# KiCad board Interrupter v1.2.kicad_pcb (continued)
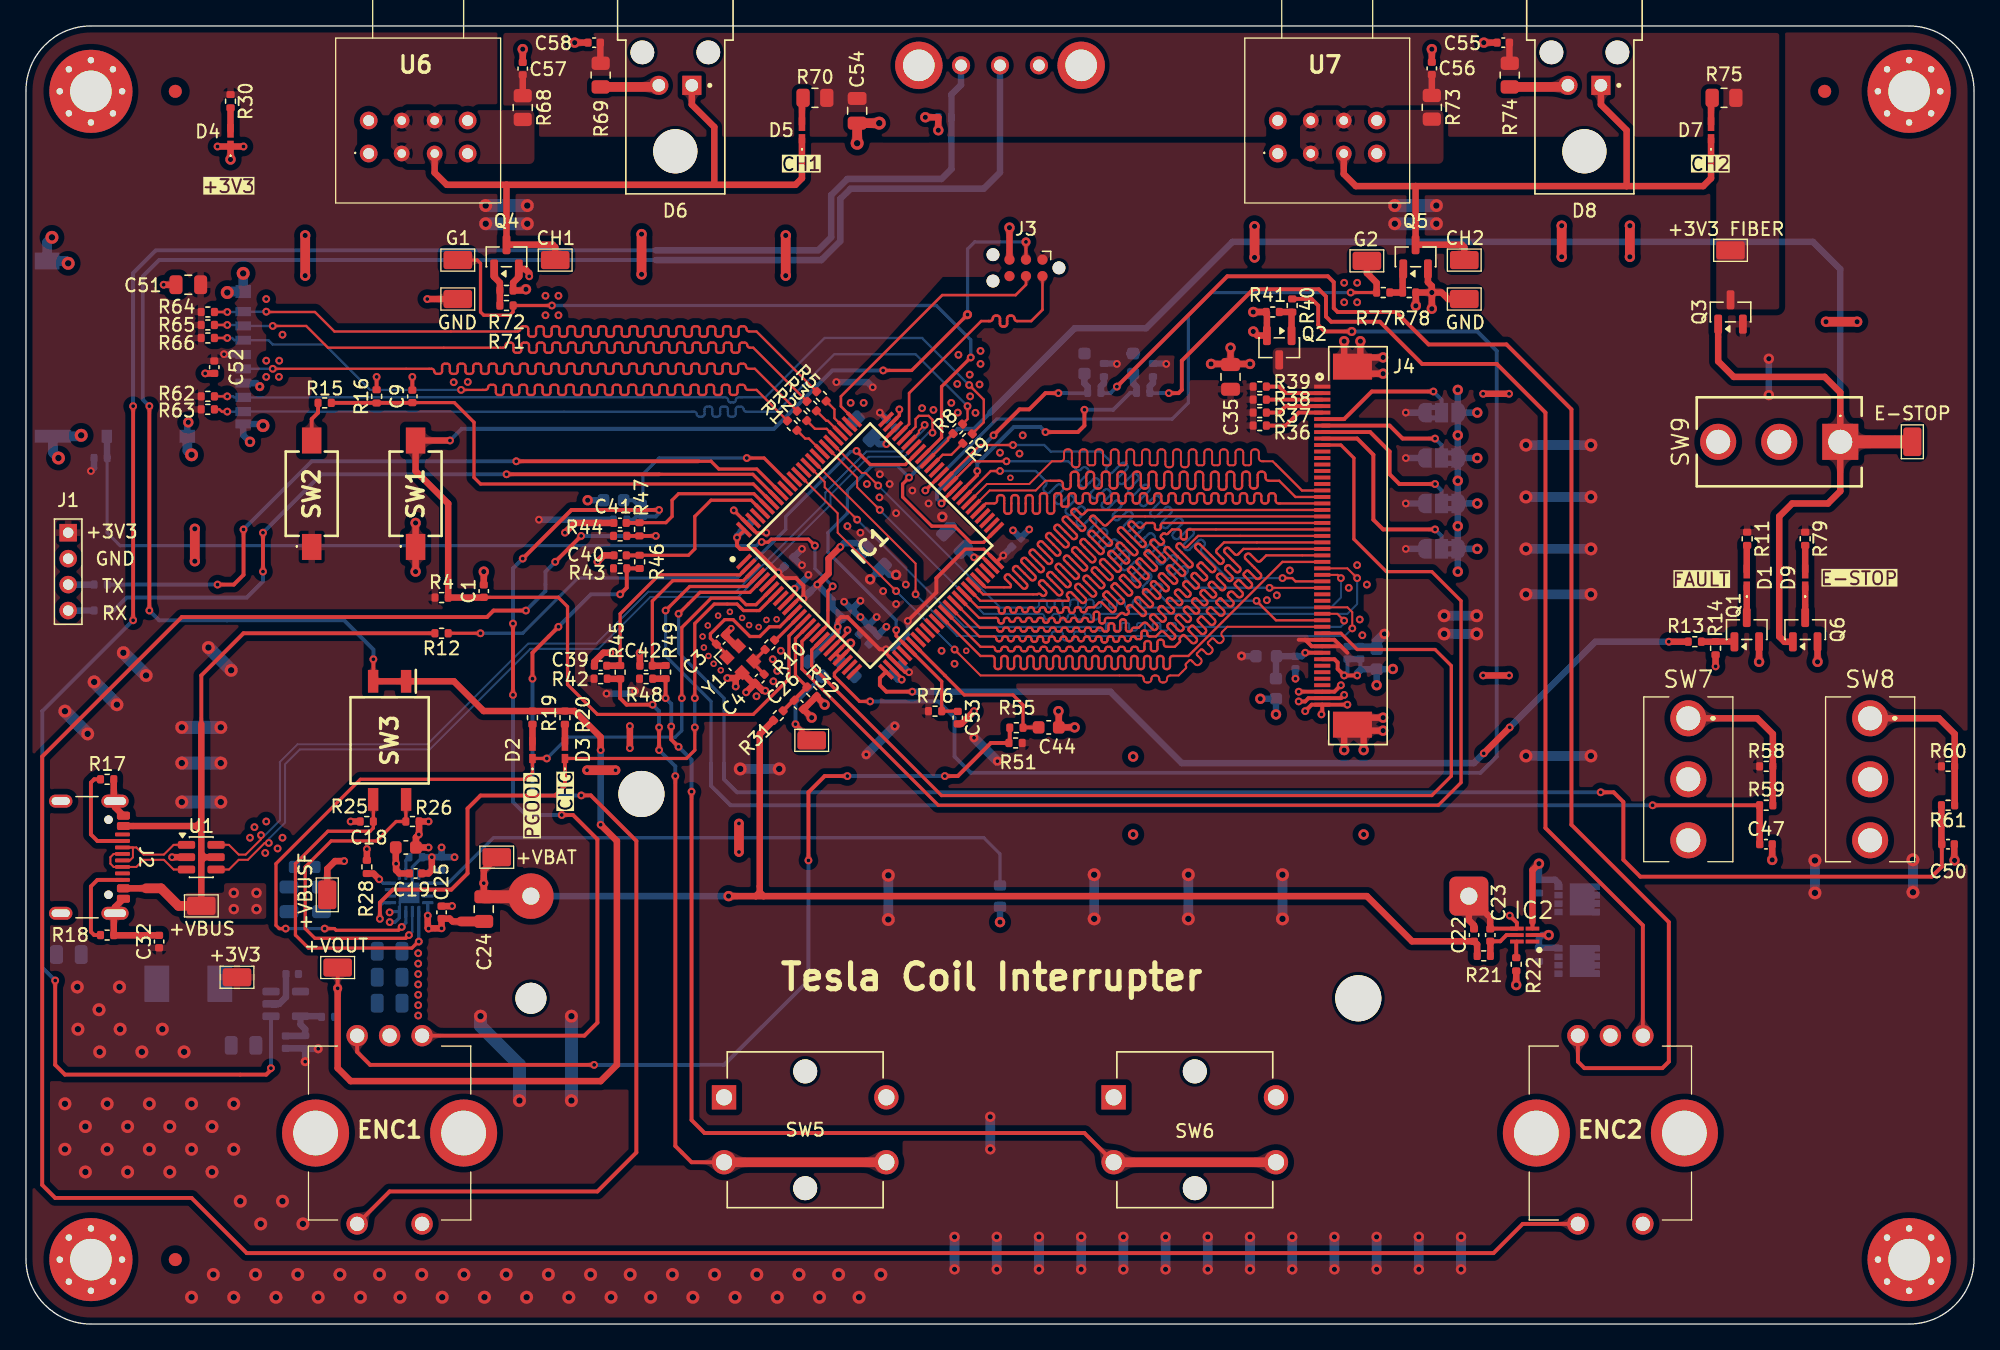
[diagram p0: board, top side]
## Routing (per net, layer and track width the routed paths; a pad name or vN(x,y) marks a point on that pad's centre or on a via; arc(x,y) is an arc through that point) (continued)
/MCU & Logic/FSMC_NE1: length 53.9
  Top w0.152: v1(67,56.46) 62.5,60.96 62.5,62.46 IC1.88 ; J4.38 92.5,53.71 92.11,53.33 arc(92.04,53.16) 92.11,52.99 92.16,52.94 arc(92.23,52.77) 92.16,52.6 92.07,52.52 arc(91.9,52.45) 91.73,52.52 91.45,52.8 arc(91.38,52.83) 91.31,52.8 91.02,52.52 arc(90.99,52.45) 91.02,52.38 91.31,52.09 arc(91.38,51.92) 91.31,51.76 91.22,51.67 arc(91.05,51.6) 90.88,51.67 90.6,51.95 arc(90.53,51.98) 90.46,51.95 90.17,51.67 arc(90.15,51.6) 90.17,51.53 90.46,51.25 arc(90.53,51.08) 90.46,50.91 90.37,50.82 arc(90.2,50.75) 90.03,50.82 89.74,51.12 arc(89.65,51.15) 89.57,51.12 89.31,50.86 arc(89.28,50.78) 89.31,50.69 arc(89.35,50.61) 89.31,50.53 88.75,49.96 88.1,49.96 arc(87.93,49.89) 87.86,49.72 87.86,49.66 arc(87.79,49.49) 87.62,49.42 87.5,49.42 arc(87.33,49.49) 87.26,49.66 87.26,49.72 arc(87.19,49.89) 87.02,49.96 86.9,49.96 arc(86.73,49.89) 86.66,49.72 86.66,49.66 arc(86.59,49.49) 86.42,49.42 86.3,49.42 arc(86.13,49.49) 86.06,49.66 86.06,49.72 arc(85.99,49.89) 85.82,49.96 73.5,49.96 v1(71.5,51.96)
  Bottom w0.152: v1(71.5,51.96) v1(67,56.46)
/MCU & Logic/FSMC_NOE: length 53.9
  Top w0.152: IC1.85 68.5,58.59 v1(68.5,56.21) ; v1(102.12,53.59) 102.12,54.84 101.75,55.21 J4.35
  Bottom w0.152: v1(68.5,56.21) 71.71,53 78.82,53 arc(78.94,53.05) 78.99,53.17 arc(79.04,53.29) 79.16,53.34 79.67,53.34 arc(79.79,53.29) 79.84,53.17 79.84,52.83 arc(79.89,52.71) 80.01,52.66 80.52,52.66 arc(80.64,52.71) 80.69,52.83 80.69,53.17 arc(80.74,53.29) 80.86,53.34 81.37,53.34 arc(81.5,53.29) 81.55,53.17 arc(81.6,53.05) 81.72,53 101.54,53 v1(102.12,53.59)
/MCU & Logic/FSMC_NWE: length 53.9
  Top w0.152: 99.78,54.74 J4.36 100.97,54.71 v1(101.5,54.19) ; IC1.86 61.5,64.88 61.5,64.46 v1(64,61.96)
  Bottom w0.152: v1(64,61.96) 72.25,53.71 82.4,53.71 arc(82.5,53.67) 82.55,53.57 arc(82.59,53.46) 82.7,53.42 83,53.42 arc(83.11,53.46) 83.15,53.57 83.15,53.86 arc(83.19,53.97) 83.3,54.01 83.6,54.01 arc(83.71,53.97) 83.75,53.86 83.75,53.57 arc(83.79,53.46) 83.9,53.42 84.2,53.42 arc(84.31,53.46) 84.35,53.57 84.35,53.86 arc(84.39,53.97) 84.5,54.01 84.8,54.01 arc(84.91,53.97) 84.95,53.86 84.95,53.57 arc(84.99,53.46) 85.1,53.42 85.4,53.42 arc(85.51,53.46) 85.55,53.57 85.55,53.86 arc(85.59,53.97) 85.7,54.01 86,54.01 arc(86.11,53.97) 86.15,53.86 86.15,53.57 arc(86.19,53.46) 86.3,53.42 86.6,53.42 arc(86.71,53.46) 86.75,53.57 86.75,53.86 arc(86.79,53.97) 86.9,54.01 87.2,54.01 arc(87.31,53.97) 87.35,53.86 87.35,53.57 arc(87.39,53.46) 87.5,53.42 87.8,53.42 arc(87.91,53.46) 87.95,53.57 87.95,53.86 arc(87.99,53.97) 88.1,54.01 88.4,54.01 arc(88.51,53.97) 88.55,53.86 88.55,53.57 arc(88.59,53.46) 88.7,53.42 89,53.42 arc(89.11,53.46) 89.15,53.57 arc(89.19,53.67) 89.3,53.71 101.25,53.71 101.5,53.96 v1(101.5,54.19)
/MCU & Logic/LCD_BL: length 107.3
  Top w0.25: v1(65,47.96) 64.19,47.96 62.25,49.9 62.25,50.14 IC1.23
  Top w0.3: v6(102.09,76.46) 100,76.46 99.5,76.96 99.5,78.46 98.99,78.97 R40.1
  Bottom w0.3: v6(102.09,76.46) 111.75,76.46 113.25,74.96 113.25,43.71 112,42.46 72.75,42.46 71.5,43.71 71.5,46.71 70.25,47.96 v1(65,47.96)
/MCU & Logic/LCD_RST: length 92.5
  Top w0.25: IC1.16 59.75,52.59 59.75,50.46 70.25,39.96 108.75,39.96 110.5,41.71 110.5,55.71 108.25,57.96 104.75,57.96 102.25,60.46 102.25,66.71 101.25,67.71 J4.10
/MCU & Logic/LCD_TE: length 75.8
  Top w0.25: J4.39 101.25,53.21 102.5,51.96 108.5,51.96 109.75,50.71 109.75,42.21 108.25,40.71 70.5,40.71 60.5,50.71 60.5,51.93 IC1.18
/MCU & Logic/NRST: length 110.3
  Top w0.25: v1(66,73.46) 68.2,73.46 v2(72.5,77.76) ; C1.1 40.98,55.98 41.7,55.26 41.7,49.26 44,46.96 56,46.96 58.75,49.71 58.75,53.01 IC1.14 ; v2(77,83.36) J3.3
  Top w0.5: v1(32.65,68.06) SW1.2 30,65.71 32.51,63.2 R4.2 35.23,55.96 C1.1
  Bottom w0.25: v2(72.5,77.76) 72.5,82.81 73.05,83.36 v2(77,83.36)
  Bottom w0.3: v1(32.65,68.06) 33.55,68.96 57.6,68.96 62.1,73.46 v1(66,73.46)
/MCU & Logic/OSC_IN: length 10.6
  Top w0.25: IC1.12 58.04,53.71 57.25,53.71 56.5,52.96 55.75,52.96 54.45,54.26 53.8,54.26 52.7,53.16 52.7,52.84 C3.1 53.97,51.56 Y1.1
/MCU & Logic/OSC_OUT: length 2.6
  Top w0.25: R10.2 57.72,52.68 IC1.13
/MCU & Logic/PGOOD: length 68.6
  Top w0.25: v1(23,30.46) 23.75,30.46 23.88,30.34 28.68,30.34 v1(28.93,30.59) ; v1(40.11,43.57) D2.1 39,42.46 38.5,41.96 25.75,41.96 19.25,35.46 19.25,30.71 19.5,30.46 v1(20,30.46) ; IC1.7 56.21,55.42 55.45,55.42 54.95,55.92 52.76,55.92 50.5,53.66 v1(50.5,48.21)
  Bottom w0.25: v1(28.93,30.59) 29.25,30.91 U2.7 ; v1(40.11,43.57) 41.75,45.21 50,45.21 50.5,45.71 v1(50.5,48.21) ; v1(23,30.46) v1(20,30.46)
/MCU & Logic/SD_DETECT: length 70.7
  Top w0.25: v1(60.75,59.96) 60.25,60.46 57.39,60.46 57.15,60.23 56.66,60.23 v1(56.65,60.25) ; IC1.17 61.75,53.89 61.75,56.46 v1(62.12,56.83)
  Bottom w0.25: v1(62.12,56.83) 60.75,58.2 v1(60.75,59.96) ; 6.24,66.71 6.25,66.7 6.25,60.96 7.25,59.96 56.25,59.96 56.53,60.25 v1(56.65,60.25)
  Bottom w0.5: J5.SWA 6.24,68.37 6.24,66.71
/MCU & Logic/SDIO_CK: length 68.5
  Top w0.18: v1(19,73.59) 31.24,73.59 arc(31.38,73.53) 31.44,73.39 arc(31.5,73.26) 31.63,73.2 31.84,73.2 arc(31.98,73.26) 32.04,73.39 32.04,73.79 arc(32.1,73.92) 32.23,73.98 32.44,73.98 arc(32.58,73.92) 32.64,73.79 32.64,73.39 arc(32.7,73.25) 32.83,73.2 33.04,73.2 arc(33.18,73.25) 33.24,73.39 33.24,73.79 arc(33.3,73.92) 33.43,73.98 33.64,73.98 arc(33.78,73.92) 33.84,73.79 33.84,73.39 arc(33.9,73.25) 34.03,73.2 34.24,73.2 arc(34.38,73.25) 34.44,73.39 34.44,73.79 arc(34.5,73.92) 34.63,73.98 34.84,73.98 arc(34.98,73.92) 35.04,73.79 35.04,73.39 arc(35.1,73.25) 35.23,73.2 35.44,73.2 arc(35.58,73.25) 35.64,73.39 35.64,73.79 arc(35.7,73.92) 35.83,73.98 36.04,73.98 arc(36.18,73.92) 36.24,73.79 36.24,73.39 arc(36.3,73.25) 36.43,73.2 36.64,73.2 arc(36.78,73.25) 36.84,73.39 36.84,73.79 arc(36.9,73.92) 37.03,73.98 37.24,73.98 arc(37.38,73.92) 37.44,73.79 37.44,73.39 arc(37.5,73.25) 37.63,73.2 37.84,73.2 arc(37.98,73.25) 38.04,73.39 38.04,73.79 arc(38.1,73.92) 38.23,73.98 38.44,73.98 arc(38.58,73.92) 38.64,73.79 38.64,73.39 arc(38.7,73.25) 38.83,73.2 39.04,73.2 arc(39.18,73.25) 39.24,73.39 39.24,73.79 arc(39.3,73.92) 39.43,73.98 39.64,73.98 arc(39.78,73.92) 39.84,73.79 39.84,73.39 arc(39.9,73.25) 40.03,73.2 40.24,73.2 arc(40.38,73.25) 40.44,73.39 40.44,73.79 arc(40.5,73.92) 40.63,73.98 40.84,73.98 arc(40.98,73.92) 41.04,73.79 41.04,73.39 arc(41.1,73.25) 41.23,73.2 41.44,73.2 arc(41.58,73.25) 41.64,73.39 41.64,73.79 arc(41.7,73.92) 41.83,73.98 42.04,73.98 arc(42.18,73.92) 42.24,73.79 42.24,73.39 arc(42.3,73.25) 42.43,73.2 42.64,73.2 arc(42.78,73.25) 42.84,73.39 42.84,73.79 arc(42.9,73.92) 43.03,73.98 43.24,73.98 arc(43.38,73.92) 43.44,73.79 43.44,73.39 arc(43.5,73.25) 43.63,73.2 43.84,73.2 arc(43.98,73.25) 44.04,73.39 44.04,73.79 arc(44.1,73.92) 44.23,73.98 44.44,73.98 arc(44.58,73.92) 44.64,73.79 44.64,73.39 arc(44.7,73.25) 44.83,73.2 45.04,73.2 arc(45.18,73.25) 45.24,73.39 45.24,73.79 arc(45.3,73.92) 45.43,73.98 45.64,73.98 arc(45.78,73.92) 45.84,73.79 45.84,73.39 arc(45.9,73.25) 46.03,73.2 46.24,73.2 arc(46.38,73.25) 46.44,73.39 46.44,73.79 arc(46.5,73.92) 46.63,73.98 46.84,73.98 arc(46.98,73.92) 47.04,73.79 47.04,73.39 arc(47.1,73.25) 47.23,73.2 47.44,73.2 arc(47.58,73.25) 47.64,73.39 47.64,73.79 arc(47.7,73.92) 47.83,73.98 48.04,73.98 arc(48.18,73.92) 48.24,73.79 48.24,73.39 arc(48.3,73.25) 48.43,73.2 48.64,73.2 arc(48.78,73.25) 48.84,73.39 48.84,73.79 arc(48.9,73.92) 49.03,73.98 49.24,73.98 arc(49.38,73.92) 49.44,73.79 49.44,73.39 arc(49.5,73.25) 49.63,73.2 49.84,73.2 arc(49.98,73.25) 50.04,73.39 50.04,73.79 arc(50.1,73.92) 50.23,73.98 50.44,73.98 arc(50.58,73.92) 50.64,73.79 50.64,73.39 arc(50.7,73.25) 50.83,73.2 51.04,73.2 arc(51.18,73.25) 51.24,73.39 51.24,73.79 arc(51.3,73.92) 51.43,73.98 51.64,73.98 arc(51.78,73.92) 51.84,73.79 51.84,73.39 arc(51.9,73.25) 52.03,73.2 52.24,73.2 arc(52.38,73.25) 52.44,73.39 52.44,73.79 arc(52.5,73.92) 52.63,73.98 52.84,73.98 arc(52.98,73.92) 53.04,73.79 53.04,73.39 arc(53.1,73.25) 53.23,73.2 53.44,73.2 arc(53.58,73.25) 53.64,73.39 53.64,73.79 arc(53.7,73.92) 53.83,73.98 54.04,73.98 arc(54.18,73.92) 54.24,73.79 54.24,73.39 arc(54.3,73.25) 54.43,73.2 54.64,73.2 arc(54.78,73.25) 54.84,73.39 54.84,73.78 arc(54.9,73.92) 55.03,73.98 55.25,73.98 arc(55.39,73.92) 55.44,73.78 arc(55.5,73.65) 55.64,73.59 56.12,73.59 R2.2
  Bottom w0.18: v1(19,73.59) J5.5
/MCU & Logic/SDIO_CLK_R: length 2.8
  Top w0.18: R2.1 60.75,68.96 61.66,68.96 IC1.80
/MCU & Logic/SDIO_CMD: length 66.9
  Top w0.18: v1(33.5,71.96) 35.39,71.96 arc(35.52,72.02) 35.58,72.16 arc(35.64,72.3) 35.78,72.36 35.99,72.36 arc(36.12,72.3) 36.18,72.16 36.18,71.77 arc(36.24,71.63) 36.38,71.57 36.59,71.57 arc(36.72,71.63) 36.78,71.77 36.78,72.16 arc(36.84,72.3) 36.98,72.36 37.19,72.36 arc(37.32,72.3) 37.38,72.16 37.38,71.77 arc(37.44,71.63) 37.58,71.57 37.79,71.57 arc(37.92,71.63) 37.98,71.77 37.98,72.16 arc(38.04,72.3) 38.18,72.36 38.39,72.36 arc(38.52,72.3) 38.58,72.16 38.58,71.77 arc(38.64,71.63) 38.78,71.57 38.99,71.57 arc(39.12,71.63) 39.18,71.77 39.18,72.16 arc(39.24,72.3) 39.38,72.36 39.59,72.36 arc(39.72,72.3) 39.78,72.16 39.78,71.77 arc(39.84,71.63) 39.98,71.57 40.19,71.57 arc(40.32,71.63) 40.38,71.77 40.38,72.16 arc(40.44,72.3) 40.58,72.36 40.79,72.36 arc(40.92,72.3) 40.98,72.16 40.98,71.77 arc(41.04,71.63) 41.18,71.57 41.39,71.57 arc(41.52,71.63) 41.58,71.77 41.58,72.16 arc(41.64,72.3) 41.78,72.36 41.99,72.36 arc(42.12,72.3) 42.18,72.16 42.18,71.77 arc(42.24,71.63) 42.38,71.57 42.59,71.57 arc(42.72,71.63) 42.78,71.77 42.78,72.16 arc(42.84,72.3) 42.98,72.36 43.19,72.36 arc(43.32,72.3) 43.38,72.16 43.38,71.77 arc(43.44,71.63) 43.58,71.57 43.79,71.57 arc(43.92,71.63) 43.98,71.77 43.98,72.16 arc(44.04,72.3) 44.18,72.36 44.39,72.36 arc(44.52,72.3) 44.58,72.16 44.58,71.77 arc(44.64,71.63) 44.78,71.57 44.99,71.57 arc(45.12,71.63) 45.18,71.77 45.18,72.16 arc(45.24,72.3) 45.38,72.36 45.59,72.36 arc(45.72,72.3) 45.78,72.16 45.78,71.77 arc(45.84,71.63) 45.98,71.57 46.19,71.57 arc(46.32,71.63) 46.38,71.77 46.38,72.16 arc(46.44,72.3) 46.58,72.36 46.79,72.36 arc(46.92,72.3) 46.98,72.16 46.98,71.77 arc(47.04,71.63) 47.18,71.57 47.39,71.57 arc(47.52,71.63) 47.58,71.77 47.58,72.16 arc(47.64,72.3) 47.78,72.36 47.99,72.36 arc(48.12,72.3) 48.18,72.16 48.18,71.77 arc(48.24,71.63) 48.38,71.57 48.59,71.57 arc(48.72,71.63) 48.78,71.77 48.78,72.16 arc(48.84,72.3) 48.98,72.36 49.19,72.36 arc(49.32,72.3) 49.38,72.16 49.38,71.77 arc(49.44,71.63) 49.58,71.57 49.79,71.57 arc(49.92,71.63) 49.98,71.77 49.98,72.16 arc(50.04,72.3) 50.18,72.36 50.39,72.36 arc(50.52,72.3) 50.58,72.16 50.58,71.77 arc(50.64,71.63) 50.78,71.57 50.99,71.57 arc(51.12,71.63) 51.18,71.77 51.18,72.16 arc(51.24,72.3) 51.38,72.36 51.59,72.36 arc(51.72,72.3) 51.78,72.16 51.78,71.77 arc(51.84,71.63) 51.98,71.57 52.19,71.57 arc(52.32,71.63) 52.38,71.77 52.38,72.16 arc(52.44,72.3) 52.58,72.36 52.79,72.36 arc(52.92,72.3) 52.98,72.16 52.98,71.77 arc(53.04,71.63) 53.18,71.57 53.39,71.57 arc(53.52,71.63) 53.58,71.77 53.58,72.16 arc(53.64,72.3) 53.78,72.36 53.99,72.36 arc(54.12,72.3) 54.18,72.16 54.18,71.77 arc(54.24,71.63) 54.38,71.57 54.59,71.57 arc(54.72,71.63) 54.78,71.77 54.78,72.16 arc(54.84,72.3) 54.98,72.36 55.19,72.36 arc(55.33,72.3) 55.39,72.16 arc(55.44,72.02) 55.58,71.96 56.25,71.96 R1.2 ; v1(15.5,75.96) R66.2
  Bottom w0.18: v1(33.5,71.96) 26.5,71.96 23,75.46 19,75.46 18.67,75.79 J5.3 16.05,75.79 15.88,75.96 v1(15.5,75.96)
/MCU & Logic/SDIO_CMD_R: length 2.6
  Top w0.18: R1.1 60,68.21 60.29,68.21 IC1.83
/MCU & Logic/SDIO_D0: length 66.6
  Top w0.18: v1(72.62,72.34) 73.75,71.21 73.75,69.46 R9.2 ; R62.2 v1(15.5,71.46)
  Bottom w0.18: v1(72.62,72.34) 69,75.96 61.5,75.96 56.92,71.39 54.86,71.39 arc(54.72,71.33) 54.66,71.19 arc(54.61,71.06) 54.47,71 54.26,71 arc(54.12,71.06) 54.06,71.19 arc(54.01,71.33) 53.87,71.39 J5.7 16.03,71.39 15.95,71.46 v1(15.5,71.46)
/MCU & Logic/SDIO_D0_R: length 3.1
  Top w0.18: IC1.65 70.59,66.96 71.25,66.96 R9.1
/MCU & Logic/SDIO_D1: length 66.6
  Top w0.18: v1(15.5,70.29) 15.08,70.29 14.9,70.46 R63.2 ; R8.2 72.5,69.71 v1(72.5,70.71)
  Bottom w0.18: v1(72.5,70.71) 68.5,74.71 62.25,74.71 57.83,70.29 55.45,70.29 arc(55.31,70.35) 55.26,70.48 arc(55.2,70.62) 55.06,70.68 54.84,70.68 arc(54.71,70.62) 54.65,70.48 54.65,70.1 arc(54.59,69.96) 54.45,69.9 54.24,69.9 arc(54.11,69.96) 54.05,70.1 54.05,70.48 arc(53.99,70.62) 53.85,70.68 53.64,70.68 arc(53.51,70.62) 53.45,70.48 53.45,70.1 arc(53.39,69.96) 53.25,69.9 53.04,69.9 arc(52.91,69.96) 52.85,70.1 52.85,70.48 arc(52.79,70.62) 52.65,70.68 52.44,70.68 arc(52.31,70.62) 52.25,70.48 52.25,70.1 arc(52.19,69.96) 52.06,69.9 51.84,69.9 arc(51.71,69.96) 51.65,70.1 arc(51.59,70.23) 51.46,70.29 J5.8 v1(15.5,70.29)
/MCU & Logic/SDIO_D1_R: length 2.9
  Top w0.18: R8.1 71,68.21 71,68.09 IC1.66
/MCU & Logic/SDIO_D2: length 66.9
  Top w0.18: v1(18.5,77.99) 18.53,77.96 22.25,77.96 23.75,76.46 37.88,76.46 arc(38.02,76.52) 38.08,76.66 arc(38.14,76.8) 38.28,76.86 38.48,76.86 arc(38.62,76.8) 38.68,76.66 38.68,76.27 arc(38.74,76.12) 38.88,76.07 39.08,76.07 arc(39.22,76.12) 39.28,76.27 39.28,76.66 arc(39.34,76.8) 39.48,76.86 39.68,76.86 arc(39.82,76.8) 39.88,76.66 39.88,76.27 arc(39.94,76.12) 40.08,76.07 40.28,76.07 arc(40.42,76.12) 40.48,76.27 40.48,76.66 arc(40.54,76.8) 40.68,76.86 40.88,76.86 arc(41.02,76.8) 41.08,76.66 41.08,76.27 arc(41.14,76.12) 41.28,76.07 41.48,76.07 arc(41.62,76.12) 41.68,76.27 41.68,76.66 arc(41.74,76.8) 41.88,76.86 42.08,76.86 arc(42.22,76.8) 42.28,76.66 42.28,76.27 arc(42.34,76.12) 42.48,76.07 42.68,76.07 arc(42.82,76.12) 42.88,76.27 42.88,76.66 arc(42.94,76.8) 43.08,76.86 43.28,76.86 arc(43.42,76.8) 43.48,76.66 43.48,76.27 arc(43.54,76.12) 43.68,76.07 43.88,76.07 arc(44.02,76.12) 44.08,76.27 44.08,76.66 arc(44.14,76.8) 44.28,76.86 44.48,76.86 arc(44.62,76.8) 44.68,76.66 44.68,76.27 arc(44.74,76.12) 44.88,76.07 45.08,76.07 arc(45.22,76.12) 45.28,76.27 45.28,76.66 arc(45.34,76.8) 45.48,76.86 45.68,76.86 arc(45.82,76.8) 45.88,76.66 45.88,76.27 arc(45.94,76.12) 46.08,76.07 46.28,76.07 arc(46.42,76.12) 46.48,76.27 46.48,76.66 arc(46.54,76.8) 46.68,76.86 46.88,76.86 arc(47.02,76.8) 47.08,76.66 47.08,76.27 arc(47.14,76.12) 47.28,76.07 47.48,76.07 arc(47.62,76.12) 47.68,76.27 47.68,76.66 arc(47.74,76.8) 47.88,76.86 48.08,76.86 arc(48.22,76.8) 48.28,76.66 48.28,76.27 arc(48.34,76.12) 48.48,76.07 48.68,76.07 arc(48.82,76.12) 48.88,76.27 48.88,76.66 arc(48.94,76.8) 49.08,76.86 49.28,76.86 arc(49.42,76.8) 49.48,76.66 49.48,76.27 arc(49.54,76.12) 49.68,76.07 49.88,76.07 arc(50.02,76.12) 50.08,76.27 50.08,76.66 arc(50.14,76.8) 50.28,76.86 50.48,76.86 arc(50.62,76.8) 50.68,76.66 50.68,76.27 arc(50.74,76.12) 50.88,76.07 51.08,76.07 arc(51.22,76.12) 51.28,76.27 51.28,76.66 arc(51.34,76.8) 51.48,76.86 51.68,76.86 arc(51.82,76.8) 51.88,76.66 51.88,76.27 arc(51.94,76.12) 52.08,76.07 52.28,76.07 arc(52.42,76.12) 52.48,76.27 52.48,76.66 arc(52.54,76.8) 52.68,76.86 52.88,76.86 arc(53.02,76.8) 53.08,76.66 53.08,76.27 arc(53.14,76.12) 53.28,76.07 53.48,76.07 arc(53.62,76.12) 53.68,76.27 53.68,76.66 arc(53.74,76.8) 53.88,76.86 54.08,76.86 arc(54.22,76.8) 54.28,76.66 54.28,76.27 arc(54.34,76.12) 54.48,76.07 54.68,76.07 arc(54.82,76.12) 54.88,76.27 54.88,76.66 arc(54.94,76.8) 55.08,76.86 55.28,76.86 arc(55.42,76.8) 55.48,76.66 arc(55.54,76.52) 55.68,76.46 56.25,76.46 R5.2 ; R64.2 v1(15.5,77.96)
  Bottom w0.18: v1(15.5,77.96) 16.7,77.96 J5.1 v1(18.5,77.99)
/MCU & Logic/SDIO_D2_R: length 2.7
  Top w0.18: R5.1 62.25,70.46 62.25,69.79 IC1.78
/MCU & Logic/SDIO_D3: length 66.9
  Top w0.18: R65.2 v1(15.5,76.96) ; R3.2 56,75.21 55.73,75.21 arc(55.6,75.27) 55.54,75.41 arc(55.48,75.55) 55.34,75.6 55.13,75.6 arc(54.99,75.55) 54.93,75.41 54.93,75.02 arc(54.88,74.88) 54.74,74.82 54.53,74.82 arc(54.39,74.88) 54.33,75.02 54.33,75.41 arc(54.28,75.55) 54.14,75.61 53.93,75.61 arc(53.79,75.55) 53.73,75.41 53.73,75.02 arc(53.68,74.88) 53.54,74.82 53.33,74.82 arc(53.19,74.88) 53.13,75.02 53.13,75.41 arc(53.08,75.55) 52.94,75.61 52.73,75.61 arc(52.59,75.55) 52.53,75.41 52.53,75.02 arc(52.48,74.88) 52.34,74.82 52.13,74.82 arc(51.99,74.88) 51.93,75.02 51.93,75.41 arc(51.88,75.55) 51.74,75.61 51.53,75.61 arc(51.39,75.55) 51.33,75.41 51.33,75.02 arc(51.28,74.88) 51.14,74.82 50.93,74.82 arc(50.79,74.88) 50.73,75.02 50.73,75.41 arc(50.68,75.55) 50.54,75.61 50.33,75.61 arc(50.19,75.55) 50.13,75.41 50.13,75.02 arc(50.08,74.88) 49.94,74.82 49.73,74.82 arc(49.59,74.88) 49.53,75.02 49.53,75.41 arc(49.48,75.55) 49.34,75.61 49.13,75.61 arc(48.99,75.55) 48.93,75.41 48.93,75.02 arc(48.88,74.88) 48.74,74.82 48.53,74.82 arc(48.39,74.88) 48.33,75.02 48.33,75.41 arc(48.28,75.55) 48.14,75.61 47.93,75.61 arc(47.79,75.55) 47.73,75.41 47.73,75.02 arc(47.68,74.88) 47.54,74.82 47.33,74.82 arc(47.19,74.88) 47.13,75.02 47.13,75.41 arc(47.08,75.55) 46.94,75.61 46.73,75.61 arc(46.59,75.55) 46.53,75.41 46.53,75.02 arc(46.48,74.88) 46.34,74.82 46.13,74.82 arc(45.99,74.88) 45.93,75.02 45.93,75.41 arc(45.88,75.55) 45.74,75.61 45.53,75.61 arc(45.39,75.55) 45.33,75.41 45.33,75.02 arc(45.28,74.88) 45.14,74.82 44.93,74.82 arc(44.79,74.88) 44.73,75.02 44.73,75.41 arc(44.68,75.55) 44.54,75.61 44.33,75.61 arc(44.19,75.55) 44.13,75.41 44.13,75.02 arc(44.08,74.88) 43.94,74.82 43.73,74.82 arc(43.59,74.88) 43.53,75.02 43.53,75.41 arc(43.48,75.55) 43.34,75.61 43.13,75.61 arc(42.99,75.55) 42.93,75.41 42.93,75.02 arc(42.88,74.88) 42.74,74.82 42.53,74.82 arc(42.39,74.88) 42.33,75.02 42.33,75.41 arc(42.28,75.55) 42.14,75.61 41.93,75.61 arc(41.79,75.55) 41.73,75.41 41.73,75.02 arc(41.68,74.88) 41.54,74.82 41.33,74.82 arc(41.19,74.88) 41.13,75.02 41.13,75.41 arc(41.08,75.55) 40.94,75.61 40.73,75.61 arc(40.59,75.55) 40.53,75.41 40.53,75.02 arc(40.48,74.88) 40.34,74.82 40.13,74.82 arc(39.99,74.88) 39.93,75.02 39.93,75.41 arc(39.88,75.55) 39.74,75.61 39.53,75.61 arc(39.39,75.55) 39.33,75.41 39.33,75.02 arc(39.28,74.88) 39.14,74.82 38.93,74.82 arc(38.79,74.88) 38.73,75.02 38.73,75.41 arc(38.68,75.55) 38.54,75.61 38.33,75.61 arc(38.19,75.55) 38.13,75.41 38.13,75.02 arc(38.08,74.88) 37.94,74.82 37.73,74.82 arc(37.59,74.88) 37.53,75.02 37.53,75.41 arc(37.48,75.55) 37.34,75.6 37.13,75.6 arc(36.99,75.55) 36.93,75.41 arc(36.88,75.27) 36.74,75.21 23.25,75.21 21.58,76.89 v1(19,76.89)
  Bottom w0.18: v1(19,76.89) J5.2 16.65,76.96 v1(15.5,76.96)
/MCU & Logic/SDIO_D3_R: length 2.6
  Top w0.18: IC1.79 61.75,69.58 61.64,69.58 R3.1
/MCU & Logic/SW1: length 107.5
  Top w0.25: IC1.4 55.49,56.82 51.1,56.82 v1(49.25,54.96)
  Top w0.3: v1(125.25,39.96) R59.2
  Top w0.5: R59.2 133.49,36.97 C47.1
  Bottom w0.25: v1(49.25,54.96) 49.25,51.46 52.75,47.96 52.75,43.21
  Bottom w0.3: v1(125.25,39.96) 54.25,39.96 52.75,41.46 52.75,43.21
/MCU & Logic/SW2: length 126.3
  Top w0.25: IC1.5 55.75,56.37 51.9,56.37 v1(50.25,54.71)
  Top w0.3: C50.1 147.52,35.23 146.75,34.46 124.3,34.46 123,35.76 123,40.21 122.25,40.96 v1(121.25,40.96)
  Top w0.5: C50.1 147.49,36.99 R61.2
  Bottom w0.25: 53.75,43.21 53.75,48.21 50.25,51.71 v1(50.25,54.71)
  Bottom w0.3: v1(121.25,40.96) 54.75,40.96 53.75,41.96 53.75,43.21
/MCU & Logic/SWCLK: length 20.7
  Top w0.2: J3.4 77,80.06 76.2,79.26 70.55,79.26 62.75,71.46 62.75,70.7 IC1.76
/MCU & Logic/SWDIO: length 20.7
  Top w0.2: J3.2 78.27,78.13 77.4,77.26 76.32,77.26 arc(76.17,77.33) 76.11,77.47 arc(76.05,77.62) 75.9,77.68 75.76,77.68 arc(75.61,77.62) 75.55,77.47 75.55,77.06 arc(75.49,76.91) 75.34,76.85 75.21,76.85 arc(75.06,76.91) 75,77.06 75,77.47 arc(74.94,77.62) 74.79,77.68 74.66,77.68 arc(74.51,77.62) 74.45,77.47 arc(74.39,77.33) 74.24,77.26 73.55,77.26 68,71.71 68,69.33 IC1.72
/MCU & Logic/UART_RX: length 58.8
  Top w0.25: 48.75,65.46 55.96,65.46 IC1.93
  Top w0.3: v1(18.25,57.96) v1(18.25,60.96) ; 48.75,65.46 v1(37,65.46)
  Bottom w0.3: v1(18.25,57.96) 18.25,57.21 17,55.96 7.75,55.96 6.75,54.96 R7.1 ; v1(18.25,60.96) 22.75,65.46 v1(37,65.46)
/MCU & Logic/UART_TX: length 58.9
  Top w0.25: IC1.92 56.27,65.87 53.35,65.87 52.75,66.46 51.75,66.46
  Top w0.3: v1(14.75,56.96) 16,56.96 16.75,57.71 v1(16.75,61.21) ; 51.75,66.46 v1(37.75,66.46)
  Bottom w0.3: v1(37.75,66.46) 22,66.46 v1(16.75,61.21) ; v1(14.75,56.96) R6.1
/MCU & Logic/USBCC1: length 7.5
  Top w0.3: J2.A5 5.5,37.21 5,37.71 5,41.71 5.25,41.96 R17.1
/MCU & Logic/USBCC2: length 7
  Top w0.3: J2.B5 5.5,34.21 5,33.71 5,30.21 5.25,29.96 R18.1
/MCU & Logic/USBD+: length 8
  Top w0.152: J2.A6 6.75,36.21 6.5,35.96 6.5,35.46 6.75,35.21 J2.B6 8.5,35.21 9.05,35.76 10.62,35.76 11.37,35.01 U1.3
/MCU & Logic/USBD-: length 7.9
  Top w0.152: U1.1 11.37,36.91 10.62,36.17 9.05,36.17 8.5,36.71 J2.B7 8.23,36.71 8.23,35.95 8,35.71 J2.A7
/MCU & Logic/V_ANALOG: length 9.8
  Top w0.25: 63.5,52.1 IC1.22 IC1.21 63.16,52.46 v6(63.5,52.46) 63.5,52.1
  Top w0.3: TP1.1 v1(59.25,46.21)
  Bottom w0.3: v1(59.25,46.21) 59.25,47.85 FB1.2
/User Interface/IM0: length 11.3
  Top w0.3: v1(108.38,71.84) 103.62,71.84 101.5,69.71 J4.6
  Bottom w0.3: v1(108.38,71.84) 109,71.21 JP1.2
/User Interface/IM1: length 10.8
  Top w0.3: J4.7 105,69.21 106,68.21 v1(108.5,68.21)
  Bottom w0.3: JP2.2 109,67.71 v1(108.5,68.21)
/User Interface/IM2: length 13.1
  Top w0.3: J4.8 103.5,68.71 105,67.21 105,65.46 105.75,64.71 v1(108.5,64.71)
  Bottom w0.3: v1(108.5,64.71) 109,64.21 JP3.2
/User Interface/IM3: length 16.2
  Top w0.3: J4.9 102.5,68.21 103.75,66.96 103.75,61.96 104.5,61.21 v1(108.5,61.21)
  Bottom w0.3: JP4.2 109,60.71 v1(108.5,61.21)
/User Interface/LEDA1: length 4.5
  Top w0.3: R39.2 96.5,72.21 97,71.71 J4.2
/User Interface/LEDA2: length 4.3
  Top w0.3: J4.3 R38.2
/User Interface/LEDA3: length 4.5
  Top w0.3: R37.2 96.5,70.21 97,70.71 J4.4
/User Interface/LEDA4: length 4.7
  Top w0.3: R36.2 97,69.21 98,70.21 J4.5
FAULT: length 69.8
  Top w0.3: v1(68.25,48.71) 66.25,48.71 65.75,49.21 65.75,49.77 IC1.26
  Top w0.5: v1(126.5,52.56) R13.1 ; v1(112.25,43.96) v1(114.25,45.96)
  Bottom w0.5: v1(68.25,48.71) 83.5,48.71 89,43.21 111.5,43.21 v1(112.25,43.96) ; v1(114.25,45.96) 120.85,52.56 v1(126.5,52.56)
G1: length 8.3
  Top w0.3: IC2.3 116,30.96
  Top w0.5: v3(116.5,35.46) 116,34.96 116,30.96
  Bottom w0.5: 118,33.74 118,33.96 117.74,34.22 R24.1 v3(116.5,35.46)
G2: length 4.4
  Top w0.3: IC2.2 v3(117.25,29.96)
  Bottom w0.5: v3(117.25,29.96) 116.75,29.96 116.5,29.71 R23.1 116.54,28.99 118,28.99
K_CH1: length 51.2
  Top w0.5: 53,87.76 37,87.76 ; 53,87.76 53,92.21 51.27,93.94 D6.1 ; 53,87.76 59.25,87.76 59.75,88.26 D5.1 ; 37,87.76 Q4.3 40.56,83.15 40.75,82.96 TP7.1 ; 37,87.76 32.4,87.76 31.47,88.7 U6.3
K_CH2: length 51.5
  Top w0.5: D7.1 129.75,88.26 129.15,87.66 123.25,87.66 ; 107,87.66 123.25,87.66 ; 107,87.66 102.4,87.66 101.47,88.6 U7.3 ; 107,87.66 Q5.3 110.56,83.15 110.75,82.96 TP11.1 ; 123.25,87.66 123.25,91.96 121.27,93.94 D8.1
Net-(BT1--): length 9.2
  Top w0.3: v1(114.25,31.46) 114.8,30.91 IC2.4 112.77,30.46 C23.2
  Top w0.5: C23.2 112.75,31.31 BT1.2 111.1,31.11 111.5,30.71 C22.2
Net-(C4-Pad1): length 2.6
  Top w0.25: C4.1 56.03,50.87 Y1.3 R10.1
Net-(C48-Pad1): length 5.4
  Top w0.3: v1(98.5,51.71) J4.42
  Bottom w0.5: v1(98.5,51.71) 98.23,51.44 C49.1 FB3.2 96.25,51.41 C48.1
Net-(D1-A): length 2
  Top w0.5: R11.2 132.5,59.95 D1.2
Net-(D1-K): length 2.4
  Top w0.5: Q1.3 D1.1
Net-(D2-A): length 1.5
  Top w0.5: R19.2 D2.2
Net-(D3-A): length 1.5
  Top w0.5: R20.2 D3.2
Net-(D4-A): length 1.8
  Top w0.5: R30.2 D4.2
Net-(D5-A): length 2.1
  Top w0.5: R70.2 59.75,94.38 D5.2
Net-(D6-Pad2): length 4.5
  Top w0.75: D6.2 48.61,95.3 R69.2
Net-(D7-A): length 2.1
  Top w0.5: R75.2 129.75,94.38 D7.2
Net-(D8-Pad2): length 4.5
  Top w0.75: R74.2 118.61,95.3 D8.2
Net-(D9-A): length 2
  Top w0.5: D9.2 R79.2
Net-(D9-K): length 2.4
  Top w0.5: Q6.3 D9.1
Net-(ENC1-A): length 69.8
  Top w0.3: v1(38.25,58.96) 42,62.71 v1(48.75,62.71) ; v1(41.25,39.21) 42.12,39.21 44,37.34 44,23.21 43,22.21 ENC1.A1 ; v1(37.5,48.46) v1(37.5,53.96)
  Bottom w0.3: v1(48.75,62.71) 48.75,62.46 48.49,62.2 R54.1 47.24,62.2 47.23,62.21 47,62.21 46.75,61.96 R50.1 ; v1(38.25,58.96) 37.5,58.21 v1(37.5,53.96) ; v1(41.25,39.21) 38.5,39.21 37.5,40.21 v1(37.5,48.46)
Net-(ENC1-B): length 71.9
  Top w0.3: v1(63.25,42.21) 61.5,42.21 60.25,40.96 v1(60.25,35.71) ; v1(43.75,19.96) 26.5,19.96 25.5,20.96 ENC1.B1 ; v1(70.75,42.21) 71.75,42.21 74.3,44.76 75.75,44.76 R55.1
  Bottom w0.3: v1(60.25,35.71) 60.25,26.46 53.75,19.96 v1(43.75,19.96) ; v1(63.25,42.21) v1(70.75,42.21)
Net-(ENC1-Pad2): length 79.8
  Top w0.3: v1(39,49.71) 39,51.71 v1(41,53.71) ; v1(45.75,56.21) 46.26,56.72 R43.2 47.24,58.21 R46.1 ; ENC1.2 28,10.21 44,10.21 47,13.22 47,37.21 43.49,40.72 v1(42.75,40.72)
  Bottom w0.3: v1(41,53.71) 43.5,56.21 v1(45.75,56.21) ; v1(39,49.71) 39,41.21 39.5,40.71 42.74,40.71 v1(42.75,40.72)
Net-(ENC2-A): length 92.4
  Top w0.3: ENC2.A1 124.5,30.71 117,38.21 117,70.21 113.25,73.96 107.5,73.96 104.25,77.21 100.5,77.21 100.1,77.61 100.1,79.16 99.55,79.71 94.5,79.71 89,74.21 89,71.96 88.75,71.71 v1(88,71.71)
  Bottom w0.3: R56.1 86.56,71.71 v1(88,71.71)
  Bottom w0.5: R52.1 86.78,72.49 86.53,72.25 R56.1
Net-(ENC2-B): length 109.5
  Top w0.3: ENC2.B1 119.5,20.21 120,19.71 126,19.71 126.5,20.21 126.5,30.96 119,38.46 119,70.46 114,75.46 108,75.46 105.5,77.96 101,77.96 100.7,78.26 100.7,80.26 100.25,80.71 92.5,80.71 v1(84,72.21)
  Bottom w0.3: R57.1 82.79,71.71 83.5,71.71 v1(84,72.21)
  Bottom w0.5: R57.1 82.77,72.23 83,72.46 R53.1
Net-(ENC2-Pad2): length 211.8
  Top w0.3: ENC2.2 115.25,7.71 113,5.46 17,5.46 12.75,9.71 2.25,9.71 1.25,10.71 1.25,43.71 12,54.46 35.5,54.46 36,54.96 v1(38.5,54.96) ; v1(48.5,60.71) R47.1 R44.2 ; v1(40.75,58.71) v1(42.75,60.71)
  Bottom w0.3: v1(38.5,54.96) 40,56.46 40,57.96 v1(40.75,58.71) ; v1(42.75,60.71) v1(48.5,60.71)
Net-(IC1-PA9): length 43.4
  Top w0.25: IC1.68 67.71,66.21 65,66.21 v1(63.95,67.26) ; v1(35,53.21) R12.1
  Bottom w0.25: v1(35,53.21) 38.25,53.21 42.5,57.46 54.75,57.46 58.5,61.21 58.5,62.21 63.5,67.21 63.9,67.21 v1(63.95,67.26)
Net-(IC1-VCAP_1): length 2.7
  Top w0.25: IC1.49 73.68,59.06 v1(73,59.06)
  Bottom w0.5: C8.1 72.37,59.69 v1(73,59.06)
Net-(IC1-VCAP_2): length 2.8
  Top w0.25: IC1.73 66.25,68.29 v1(66.25,67.79)
  Bottom w0.5: C2.1 65.67,67.79 v1(66.25,67.79)
Net-(IC2-BAT): length 3.4
  Top w0.3: IC2.5 114,29.96 113.52,29.48 C23.1
  Top w0.5: C23.1 112.76,29.47 R21.2
Net-(IC2-V-): length 1.3
  Top w0.3: IC2.6 114.75,29.41 R22.1
Net-(J1-Pin_3): length 2
  Bottom w0.5: R6.2 J1.3
Net-(J1-Pin_4): length 2
  Bottom w0.5: R7.2 J1.4
Net-(Q1-G): length 2.6
  Top w0.5: R13.2 130.09,52.56 R14.1 131.53,52.57 Q1.1
Net-(Q2-G): length 2.8
  Top w0.5: R41.1 97.49,77.96 R40.2 97.45,77.9 Q2.1
Net-(Q4-G): length 3
  Top w0.5: Q4.1 36.05,80.66 36.49,80.22 R72.1 R71.2
Net-(Q5-G): length 2.8
  Top w0.5: R77.2 R78.1 106,81.23 Q5.1
Net-(R15-Pad2): length 3.1
  Top w0.3: SW2.2 22,69.71 22.49,70.2 R15.2
Net-(R42-Pad2): length 56.7
  Top w0.3: v1(50,42.21) 50,13.71 51.25,12.46 SW5.3 ; v1(48.75,44.21) v1(48.75,45.96) ; v1(48.25,47.71) 46.25,47.71 45.75,48.21 R45.1
  Top w0.5: R45.1 44.77,49.7 R42.2
  Top w0.75: SW5.4 SW5.3
  Bottom w0.3: v1(48.75,45.96) 48.75,47.21 v1(48.25,47.71) ; v1(48.75,44.21) 50,42.96 v1(50,42.21)
Net-(R48-Pad2): length 82.3
  Top w0.3: v1(51.25,41.01) 51.25,15.71 52.25,14.71 81.5,14.71 SW6.3 ; v1(49.25,48.21) R49.1 ; v1(50.25,44.46) 49.68,45.03 v1(49.68,46.03)
  Top w0.5: R48.2 R49.1
  Top w0.75: SW6.4 SW6.3
  Bottom w0.3: v1(50.25,44.46) 51.25,43.46 v1(51.25,41.01) ; 49.75,46.1 v1(49.68,46.03) 49.68,47.78 v1(49.25,48.21)
Net-(SW4-A): length 162.1
  Top w0.3: v1(2.25,26.46) 2.25,19.96 3,19.21 18.5,19.21 18.86,19.58 v1(18.86,19.71) ; v1(8.25,70.71) v1(8.25,54.21)
  Bottom w0.3: 48.5,82.71 10,82.71 8.25,80.96 v1(8.25,70.71) ; v1(2.25,26.46) 1.25,27.46 1.25,47.21 v1(8.25,54.21) ; v1(18.86,19.71) U5.1
  Bottom w0.5: SW4.1 72,95.46 71.26,94.72 R34.1 71.26,88.97 70.5,88.21 63.25,88.21 62,86.96 62,83.71 61,82.71 48.5,82.71
Net-(SW7-A): length 12.5
  Top w0.5: R59.1 R58.2 134.51,45.45 133.3,46.66 SW7.1
Net-(SW8-A): length 12.5
  Top w0.5: R61.1 R60.2 148.51,45.45 147.3,46.66 SW8.1
Net-(U2-EN1): length 26
  Top w0.25: SW3.4 29.25,40.39 R26.1 28.5,38.71 27,37.21 23.5,37.21 21.5,35.21 21.5,30.46 22.25,29.71 29.24,29.71 v1(29.49,29.96)
  Bottom w0.18: v1(29.49,29.96) 29.75,30.22 U2.6
Net-(U2-EN2): length 27.3
  Top w0.25: v1(30.25,29.46) 30.21,29.46 29.71,28.96 21.75,28.96 20.75,29.96 20.75,35.46 23.25,37.96 26.5,37.96 26.75,38.21 R25.1 26.75,40.39 SW3.3
  Bottom w0.25: U2.5 v1(30.25,29.46)
Net-(U2-ILIM): length 2.1
  Top w0.5: v1(27.2,34.26) 26.76,34.7 R28.1
  Bottom w0.25: U2.12 27.5,33.96 v1(27.2,34.26)
Net-(U2-ISET): length 1.9
  Bottom w0.25: U2.16 30.69,34.65 30.99,34.95 R29.1
Net-(U2-TMR): length 1.4
  Bottom w0.25: U2.14 29.25,35.72 R27.1
Net-(U2-TS): length 48.5
  Bottom w0.25: TH1.1 75,36.21 73.75,37.46 36,37.46 32.5,33.96 U2.1
Net-(U5-FB): length 4.8
  Bottom w0.5: R35.1 22.7,23.71 U5.5 21.14,23.08 21.5,22.71 R33.2 21.47,22.19 C31.2

## Copper pours and planes (outline as drawn; the poured copper is in the pictures)
+3.3V on Top: 0,-0.04 150,-0.04 150,99.96 0,99.96
+3.3V on Bottom: 3.3,29.46 12.5,29.46 12.5,22.71 16.75,22.71 16.75,20.36 18.5,20.36 18.5,10.96 28.25,10.96 28.25,5.46 67.5,5.46 67.5,-0.04 0.5,-0.04 0.5,27.26 3.3,27.26
+3.3V_FIBER on Top: 130.15,78.16 135,78.16 135,99.46 36.75,99.46 36.75,91.46 130.15,91.46
+VBAT on Bottom: 30.5,33.71 32.75,33.71 36.25,37.21 42,37.21 42,29.21 32.5,29.21 32.5,31.46 32.25,31.71 31.75,31.71 31.75,32.46 31.5,32.71 30.5,32.71
+VBUS on Top: 12.25,31.21 18.5,31.21 18.5,33.96 15.25,33.96 15.25,33.21 12.25,33.21
+VBUS on Bottom: 21.25,35.71 21.25,32.96 18.5,32.96 18.5,31.21 15.25,31.21 15.25,35.71
+VBUSF on Bottom: 29,34.21 29,35.96 21.75,35.96 21.75,32.96 23.75,32.96 23.75,34.21
GND on Top: 65,69.46 73.25,61.21 66,53.96 64,55.96 62.12,55.71 56.58,60.96
GND on Bottom: 0,-0.04 150,-0.04 150,99.96 0,99.96
GND on In1.Cu, In2.Cu: 0,99.96 150,99.96 150,-0.04 0,-0.04
+VOUT on Bottom: 26.75,31.01 28,30 28,23.96 20.5,23.96 20.5,30.01 23.75,30.01 24,30.21 24,33.76 28.75,33.76 28.75,32.76 26.75,32.76
/MCU & Logic/V_ANALOG on Bottom: 61.25,48.96 63.5,50.96 64.25,51.21 65.5,52.46 64.25,53.71 60.25,49.96
/User Interface/LEDK on Top: 100.44,72.06 97.5,72.06 96,73.21 96,75.21 100.44,75.21
Net-(BT1--) on Bottom: 118.38,33.21 118.25,33.29 117.29,33.29 116.79,33.47 116,33.47 115.75,33.71 115.75,35.46 108.6,35.46 108.6,29.96 116.25,29.96 116.25,30.96 116.5,31.14 118.07,31.14 118.38,31.31
Net-(U3-Pad5) on Bottom: 123.02,33.94 123.02,26.73 118.87,26.73 118.88,31.73 118.87,33.94
Net-(U5-SW) on Bottom: 13.05,28.46 19.53,28.46 19.53,25.21 17.7,25.21 16.3,23.96 13.05,23.96
Net-(U6-ANODE_1) on Top: 39.15,93.51 28.1,93.51 28.1,89.36 39.15,89.36
Net-(U7-ANODE_1) on Top: 109.15,93.53 98.1,93.53 98.1,89.38 109.15,89.38

Small or netless copper shapes (teardrops, artwork), in the pictures only: 601 on Top, 317 on Bottom

## Text on the board
B.Silkscreen: Interrupter Rev V1.1 / March 2026 | Designed by / Alberto Marrone
F.Silkscreen: +3V3 | GND | TX | RX | +VBUS | +VOUT | G1 | +VBAT | CH1 | G2 | CH2 | +3V3 FIBER | FAULT | E-STOP | +VBUSF | PGOOD | CHG | Tesla Coil Interrupter
